# Altium PCB CATS-EUROC.PcbDoc (part 2 of 2) (continued)
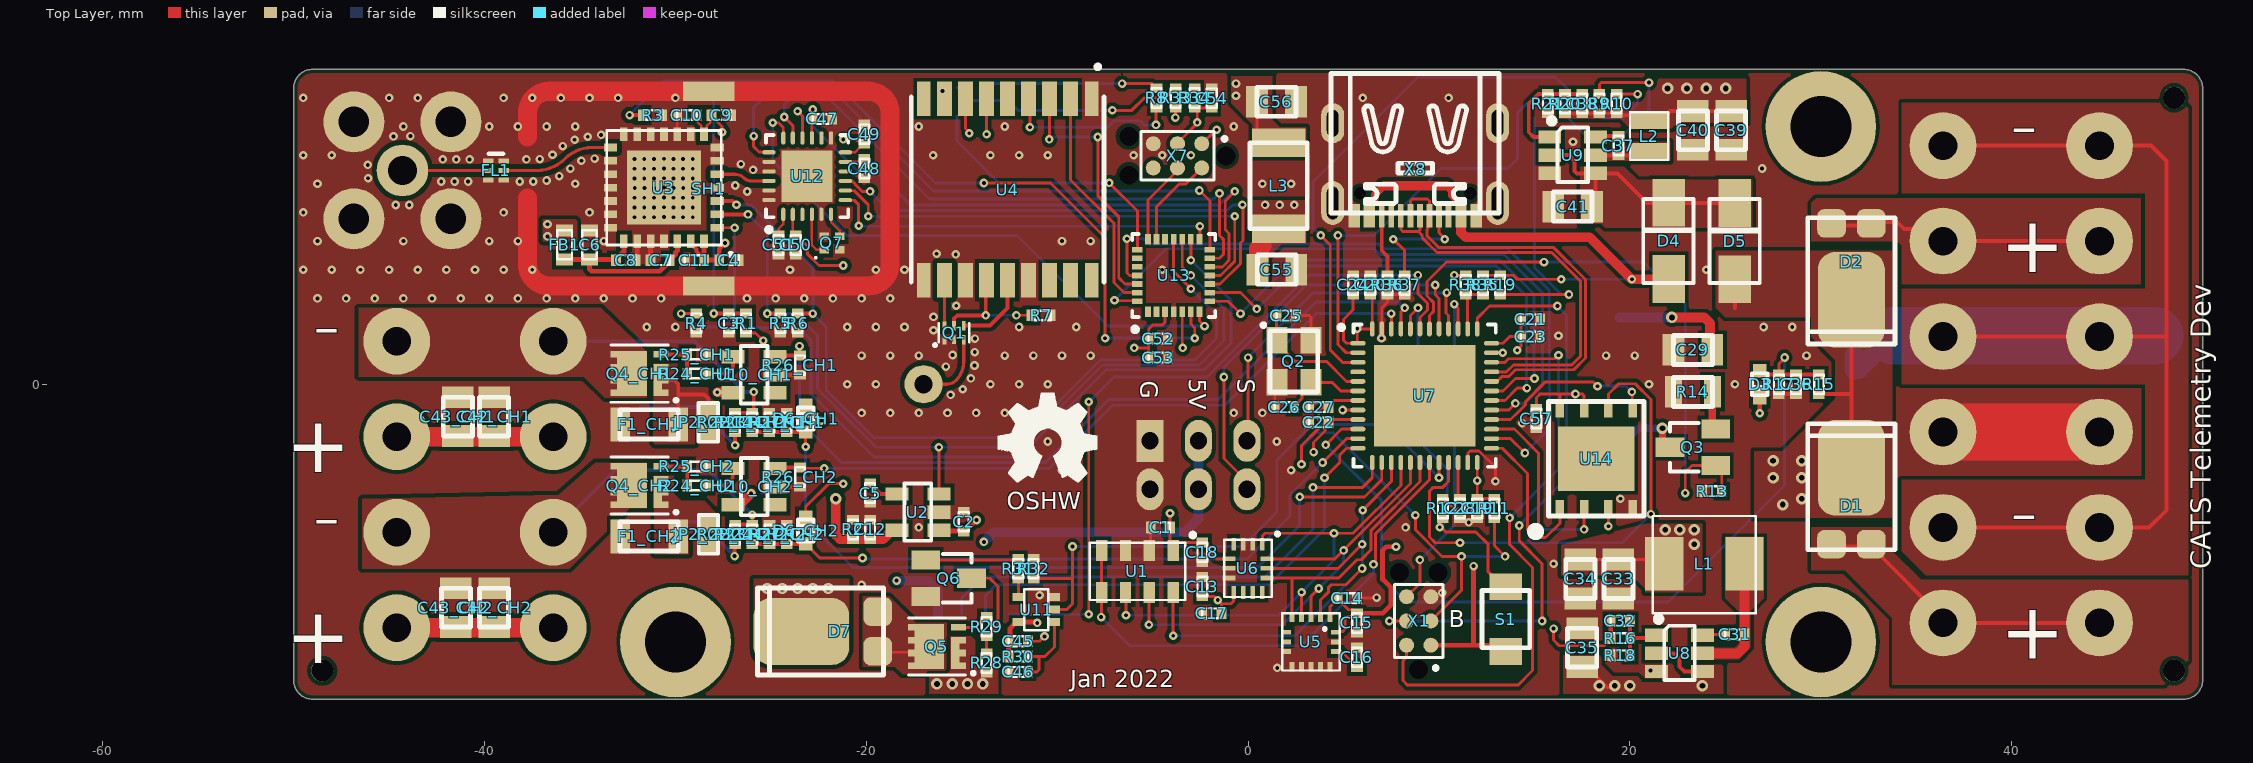
[diagram p0: Top Layer view]
## Nets (pads, with @x,y where several pads share a name; then routed paths per layer and width w, separated by ;. In a path a pad name is that pad's centre, name@x,y a point inside that pad or via, vN(x,y) a via of type N, cw(c..) or ccw(c..) an arc to the next point about the centre after c; other vN are vias at no path point) (continued)
  Bottom Layer w0.152: v1(11.1,-8.3) 11.631,-8.3 11.634,-8.302 11.988,-8.302 11.991,-8.3 19.6,-8.3 v1(21.1,-6.8)
SWCLK: U7.37 X1.4 | length 32.2
  Top Layer w0.152: v1(7.4,-12.4) X1.4@8.3,-12.4 ; U7.37@12,2.9 12,3.46 12.64,4.1 v1(16.2,4.1) ; v1(14.2,-7.4) 14.2,-8.2 15.4,-9.4 v1(15.4,-12.4)
  Bottom Layer w0.152: v1(7.4,-12.4) v1(15.4,-12.4) ; v1(14.2,-7.4) 16.684,-4.916 16.684,3.616 v1(16.2,4.1)
SWDIO: U7.34 X1.2 | length 30.9
  Top Layer w0.152: X1.2@8.3,-13.67 8.3,-14.3 8.113,-14.487 8.113,-15.524 8.351,-15.762 14.138,-15.762 14.9,-15 14.9,-9.6 13.7,-8.4 v1(13.7,-7) ; U7.34@12.75,1.15 13.45,1.15 13.637,1.337 16.069,1.337 v1(16.256,1.524)
  Bottom Layer w0.152: v1(13.7,-7) 16.256,-4.444 v1(16.256,1.524)
SWO: U7.39 X1.6 | length 17.7
  Top Layer w0.152: X1.6@8.3,-11.13 9,-10.43 v1(9,-9.2) ; v1(10.8,4.2) 11,4 U7.39@11,2.9
  Bottom Layer w0.152: v1(9,-9.2) 10.8,-7.4 v1(10.8,4.2)
TEMP: C3.2 R1.1 R3.1 U13.6 | length 55.1
  Top Layer w0.152: v1(-13.843,10.541) -10.346,10.541 -7.493,7.688 v1(-7.493,2.413) ; U13.6@-3,3.8 -3,3.156 -2.794,2.95 v1(-2.794,2.413)
  Top Layer w0.203: v1(-32.4,14.1) R3.1@-31.708,14.1 ; v1(-27.992,3.708) C3.2@-27.2,3.708 R1.1@-26.3,3.708
  Bottom Layer w0.152: v1(-32.4,14.1) -30.625,15.875 -27.94,15.875 ; v1(-27.992,3.708) -27.992,15.823 -27.94,15.875 ; v1(-13.843,10.541) -16.383,10.541 -21.717,15.875 -27.94,15.875 ; v1(-7.493,2.413) v1(-2.794,2.413)
TX1: U4.3 U13.26 | length 13.7
  Top Layer w0.152: v1(-10.414,12.827) -10.414,14.764 -10.5,14.85 U4.3@-10.4,14.95 ; v1(-7.874,12.954) -7.874,9.874 -6.778,8.778 -6.778,5.578 -6.45,5.25 U13.26@-5.8,5.25
  Bottom Layer w0.152: v1(-10.414,12.827) -10.287,12.954 v1(-7.874,12.954)
TX2: U7.31 U13.8 | length 26.1
  Top Layer w0.152: U13.8@-2,4.35 -1.05,4.35 v1(-0.4,3.7) ; U7.31@12.75,-0.35 13.35,-0.35 14,0.3 v1(15,0.3)
  Bottom Layer w0.152: v1(-0.4,3.7) -0.4,3.706 2.394,6.5 13.194,6.5 14.972,4.723 14.972,0.328 v1(15,0.3)
TX_EN: R5.2 U2.3 U3.2 U13.17 | length 47.6
  Top Layer w0.152: U2.3@-16.45,-5.75 U2.3@-16.2,-5.75 v1(-16.2,-3.3) ; U13.17@-3.45,7.6 -3.45,6.15 v1(-3,5.7)
  Top Layer w0.203: U3.2@-27.8,8.9 v1(-26.2,8.9) ; v1(-25.192,3.708) R5.2@-24.5,3.708
  Bottom Layer w0.152: v1(-26.2,8.9) -25.192,7.892 v1(-25.192,3.708) -23.708,3.708 -22.554,2.554 -22.554,-0.246 -21.828,-0.972 -21.823,-0.972 -21.572,-1.223 -21.572,-1.228 -19.5,-3.3 v1(-16.2,-3.3) -11.941,-3.3 -7.625,1.016 -2.54,1.016 -1.27,2.286 -1.27,3.97 v1(-3,5.7)
UART2_RX: U7.13 X4.3 | length 27
  Top Layer w0.152: v1(3.4,-5.4) 6,-5.4 6.5,-4.9 U7.13@6.5,-4.1
  Bottom Layer w0.152: X4.3@-15,-12.05 -15,-11.2 -13.9,-10.1 0.9,-10.1 3.4,-7.6 v1(3.4,-5.4)
UART2_TX: U7.12 X4.2 | length 25.5
  Top Layer w0.152: v1(4,-4.9) 4.8,-4.1 4.8,-3.7 5.15,-3.35 U7.12@5.75,-3.35
  Bottom Layer w0.152: X4.2@-13.75,-12.05 -13.75,-11.05 -13.2,-10.5 1.1,-10.5 4,-7.6 v1(4,-4.9)
USB_DET: R35.2 R38.1 U7.38 | length 2.7
  Top Layer w0.152: U7.38@11.5,2.9 11.5,4.592 R38.1@11.4,4.692 R35.2@12.3,4.692
USB_N: U7.32 X8.A7 X8.B7 | length 22.5
  Top Layer w0.152: X8.A7@8.5,8.825 8.5,9.6 8.6,9.7 9.4,9.7 9.5,9.6 X8.B7@9.5,8.825 9.426,8.751 9.426,8.153 9.377,8.104 9.377,7.777 10,7.154 16.005,7.154 17.674,5.485 17.674,1.374 17.062,0.762 14.003,0.762 13.637,0.396 13.286,0.396 13.04,0.15 U7.32@12.75,0.15
USB_P: U7.33 X8.A6 X8.B6 | length 21.1
  Top Layer w0.152: X8.B6@8,8.825 8,8.1 8.1,8 8.921,8 ; X8.A6@9,8.825 8.997,8.822 8.997,8.076 8.921,8 ; U7.33@12.75,0.65 13.532,0.65 13.898,1.016 16.957,1.016 17.42,1.48 17.42,5.38 15.9,6.9 9.895,6.9 9.123,7.672 9.123,7.798 8.921,8
V_BAT: C36.2 D3.A R15.1 R17.2 U7.10 | length 45.2
  Top Layer w0.152: v1(4.064,-3.175) 4.889,-2.35 U7.10@5.75,-2.35 ; R17.2@27.8,0.508 27.8,1.059 28.1,1.359 v1(28.1,1.4)
  Top Layer w0.203: D3.A@26.8,0.7 26.992,0.508 R17.2@27.8,0.508 C36.2@28.7,0.508 R15.1@29.9,0.508
  Bottom Layer w0.152: v1(4.064,-3.175) 6.996,-6.107 6.996,-10.099 8.297,-11.4 22,-11.4 28.1,-5.3 v1(28.1,1.4)
V_PYRO1: C44_CH1.2 D6_CH1.A R23_CH1.1 R27_CH1.2 U7.14 | length 42.3
  Top Layer w0.152: v1(-23.176,-3.276) D6_CH1.A@-23.176,-2.5 ; v1(2.7,-5.9) 6.1,-5.9 7,-5 U7.14@7,-4.1
  Top Layer w0.203: R23_CH1.1@-25.976,-2.508 C44_CH1.2@-25.076,-2.508 R27_CH1.2@-24.176,-2.508 -23.184,-2.508 D6_CH1.A@-23.176,-2.5
  Bottom Layer w0.152: v1(-23.176,-3.276) -23.176,-7.124 -20.7,-9.6 0.5,-9.6 2.7,-7.4 v1(2.7,-5.9)
V_PYRO2: C44_CH2.2 D6_CH2.A R23_CH2.1 R27_CH2.2 U7.11 | length 35.3
  Top Layer w0.152: D6_CH2.A@-23.175,-8.364 -22.439,-9.1 v1(-20.2,-9.1) ; v1(3.9,-4.1) 3.906,-4.1 5.156,-2.85 U7.11@5.75,-2.85
  Top Layer w0.203: R23_CH2.1@-25.975,-8.372 C44_CH2.2@-25.075,-8.372 R27_CH2.2@-24.175,-8.372 -23.183,-8.372 D6_CH2.A@-23.175,-8.364
  Bottom Layer w0.152: v1(-20.2,-9.1) -20.15,-9.15 -0.05,-9.15 2.2,-6.9 2.2,-5.794 3.894,-4.1 v1(3.9,-4.1)
VBAT: C30.P C35.2 D1.K D2.K D5.A Q5.S R15.2 R28.2 U8.2 U8.4 | length 18.4
  Top Layer w0.203: C35.2@17.5,-14.816 17.754,-14.816 18.838,-15.9 ; U8.2@21.4,-14.1 22.3,-14.1 22.6,-14.4 22.6,-14.8 22.85,-15.05 U8.4@23.8,-15.05 ; 25.5,4 D5.A@25.5,5.5 ; R15.2@29.9,-0.508 31.592,-0.508 31.6,-0.5 ; D2.K@30.6,3.325 D2.K@31.6,4.325 ; D1.K@31.6,-4.5 31.6,-0.5 ; D2.K@31.6,4.5 31.6,-0.5
  other v2: 18.4,-15.8 19.2,-15.8 20,-15.8 23.8,-15.8 -16.3,-15.7 -15.5,-15.7 -14.7,-15.7 -13.9,-15.7 28,-6.3 29,-6 27.5,-4.9 29,-4.9 27.5,-4 29,-4
VBUS: D4.A R19.2 R35.1 X8.A4B9 X8.B4A9 | length 27.7
  Top Layer w0.152: R35.1@12.3,5.708 R19.2@13.2,5.708 13.892,5.708 14.1,5.5 v1(16.4,5.5)
  Top Layer w0.381: X8.B4A9@6.35,8.825 6.459,8.935 6.459,9.512 6.625,9.678 6.625,9.925 7.1,10.4 ; 10.4,10.4 10.669,10.131 10.669,9.883 11.04,9.512 11.04,8.935 X8.A4B9@11.15,8.825
  Top Layer w0.508: 7.1,10.4 10.4,10.4 ; X8.A4B9@11.15,8.825 11.15,7.95 11.4,7.7 17.9,7.7 v1(20.1,5.5) D4.A@22,5.5
  Bottom Layer w0.152: v1(16.4,5.5) v1(20.1,5.5)
pads on no net: LS1.NC U4.5 U4.9 U4.16 U4.17 U4.18 U5.6 U5.7 U6.4 U6.9 U6.10 U6.11 U7.4 U7.PAD U10_CH1.1 U10_CH2.1 U12.3 U12.10 U12.14 U13.1 U13.2 U13.19 U13.23 U13.24 U14.PAD X1.NC X4.NC X7.6 X7.NC X8.A8 X8.B8 X8.NC

## Polygon pours and split planes (outlines as drawn)
GND on Top Layer "Top Layer-No Net1" (solid, remove dead copper, pour order 84): -49,-16.5 cw(c-49,-15.5) -50,-15.5 -50,15.5 cw(c-49,15.5) -49,16.5 49,16.5 cw(c49,15.5) 50,15.5 50,-15.5 cw(c49,-15.5) 49,-16.5
GND on Top Layer "Top Layer-GND 1" (solid, pour order 12): -15.315,7.041 -15.142,6.969 -14.994,6.856 -14.881,6.708 -14.809,6.535 -14.785,6.35 -14.785,4.55 -14.809,4.365 -14.881,4.192 -14.994,4.044 -15.094,3.968 -15.094,3.37 -15.085,3.3 -15.085,2.85 -15.109,2.665 -15.181,2.492 -15.294,2.344 -15.442,2.231 -15.615,2.159 -15.8,2.135 -16,2.135 -16.185,2.159 -16.358,2.231 -16.506,2.344 -16.619,2.492 -16.691,2.665 -16.715,2.85 -16.715,3.3 -16.706,3.37 -16.706,3.968 -16.806,4.044 -16.919,4.192 -16.991,4.365 -17.015,4.55 -17.015,6.35 -16.991,6.535 -16.919,6.708 -16.806,6.856 -16.658,6.969 -16.485,7.041 -16.3,7.065 -15.5,7.065
GND on Top Layer "Top Layer-GND" (solid, pour order 14): -14.615,3.266 -14.442,3.194 -14.294,3.081 -14.181,2.933 -14.109,2.76 -14.085,2.575 -14.085,2.075 -14.094,2.005 -14.094,1.208 -14.088,1.166 -14.095,1.119 -14.095,1.072 -14.144,0.694 -14.166,0.614 -14.193,0.514 -14.339,0.161 -14.396,0.062 -14.432,-0.001 -14.664,-0.303 -14.698,-0.337 -14.726,-0.374 -14.763,-0.402 -14.797,-0.436 -14.835,-0.458 -14.961,-0.554 -15.123,-0.648 -15.309,-0.725 -15.461,-0.765 -15.466,-0.778 -15.505,-0.846 -15.559,-0.94 -15.719,-1.149 -15.851,-1.281 -16.06,-1.441 -16.222,-1.534 -16.465,-1.635 -16.514,-1.648 -16.646,-1.683 -16.907,-1.718 -17,-1.718 -17.093,-1.718 -17.354,-1.683 -17.497,-1.645 -17.535,-1.635 -17.778,-1.534 -17.846,-1.495 -17.94,-1.441 -18.149,-1.281 -18.281,-1.149 -18.441,-0.94 -18.534,-0.778 -18.635,-0.535 -18.648,-0.486 -18.683,-0.354 -18.718,-0.093 -18.718,0 -18.718,0.093 -18.683,0.354 -18.645,0.497 -18.635,0.535 -18.534,0.778 -18.495,0.846 -18.441,0.94 -18.281,1.149 -18.149,1.281 -17.94,1.441 -17.778,1.534 -17.535,1.635 -17.486,1.648 -17.354,1.683 -17.093,1.718 -17,1.718 -16.907,1.718 -16.646,1.683 -16.503,1.645 -16.465,1.635 -16.222,1.534 -16.154,1.495 -16.06,1.441 -15.851,1.281 -15.719,1.149 -15.711,1.137 -15.706,1.173 -15.706,2.005 -15.715,2.075 -15.715,2.575 -15.691,2.76 -15.619,2.933 -15.506,3.081 -15.358,3.194 -15.185,3.266 -15,3.29 -14.8,3.29
GND on Top Layer "Top Layer-GND 3" (solid, pour order 6): -44.207,13.271 -43.854,13.224 -43.674,13.176 -43.345,13.04 -43.27,12.997 -43.184,12.947 -42.902,12.73 -42.77,12.598 -42.553,12.316 -42.523,12.263 -42.46,12.155 -42.398,12.006 -40.284,12.006 -40.26,12.016 -40.075,12.04 -39.525,12.04 -39.34,12.016 -39.167,11.944 -39.019,11.831 -38.906,11.683 -38.834,11.51 -38.81,11.325 -38.81,11.075 -38.834,10.89 -38.906,10.717 -39.019,10.569 -39.167,10.456 -39.34,10.384 -39.525,10.36 -40.075,10.36 -40.26,10.384 -40.284,10.394 -42.398,10.394 -42.46,10.245 -42.503,10.17 -42.553,10.084 -42.77,9.802 -42.902,9.67 -43.184,9.453 -43.237,9.423 -43.345,9.36 -43.674,9.224 -43.854,9.176 -44.207,9.129 -44.3,9.129 -44.393,9.129 -44.746,9.176 -44.926,9.224 -45.255,9.36 -45.33,9.403 -45.416,9.453 -45.698,9.67 -45.83,9.802 -46.047,10.084 -46.077,10.137 -46.14,10.245 -46.276,10.574 -46.324,10.754 -46.371,11.107 -46.371,11.2 -46.371,11.293 -46.324,11.646 -46.276,11.826 -46.14,12.155 -46.097,12.23 -46.047,12.316 -45.83,12.598 -45.698,12.73 -45.416,12.947 -45.363,12.977 -45.255,13.04 -45.254,13.04 -44.926,13.176 -44.746,13.224 -44.393,13.271 -44.3,13.271 -44.207,13.271
GND on Top Layer "Top Layer-GND 4" (solid, pour order 4): -32.865,13.291 -32.692,13.219 -32.544,13.106 -32.431,12.958 -32.359,12.785 -32.335,12.6 -32.335,12.2 -32.359,12.015 -32.431,11.842 -32.544,11.694 -32.692,11.581 -32.865,11.509 -33.05,11.485 -33.75,11.485 -33.935,11.509 -34.108,11.581 -34.125,11.594 -34.369,11.594 -34.603,11.571 -34.828,11.503 -35.036,11.392 -35.206,11.252 -35.215,11.24 -35.243,11.218 -35.267,11.193 -35.598,10.921 -35.658,10.884 -35.715,10.843 -36.093,10.641 -36.158,10.616 -36.222,10.588 -36.632,10.463 -36.701,10.452 -36.769,10.436 -37.196,10.394 -37.231,10.395 -37.266,10.39 -37.293,10.394 -38.516,10.394 -38.54,10.384 -38.725,10.36 -39.275,10.36 -39.46,10.384 -39.633,10.456 -39.781,10.569 -39.894,10.717 -39.966,10.89 -39.99,11.075 -39.99,11.325 -39.966,11.51 -39.894,11.683 -39.781,11.831 -39.633,11.944 -39.46,12.016 -39.275,12.04 -38.725,12.04 -38.54,12.016 -38.516,12.006 -37.266,12.006 -37.264,12.006 -37.015,12.03 -36.774,12.103 -36.552,12.222 -36.37,12.372 -36.36,12.384 -36.332,12.406 -36.308,12.431 -35.99,12.693 -35.93,12.73 -35.873,12.771 -35.51,12.965 -35.444,12.989 -35.38,13.018 -34.986,13.138 -34.917,13.149 -34.849,13.165 -34.439,13.206 -34.404,13.205 -34.369,13.209 -34.344,13.206 -34.125,13.206 -34.108,13.219 -33.935,13.291 -33.75,13.315 -33.05,13.315
3V3 on Top Layer "Top Layer-3V3 2" (solid, remove dead copper, pour order 72): -35.155,7.493 -35.155,8.636 -36.957,8.636 -36.957,7.493
3V3 on Top Layer "Top Layer-3V3 1" (solid, remove dead copper, pour order 83): 0.254,9.652 0.254,6.858 0,6.604 0,5.207 1.016,5.207 1.016,6.604 1.778,7.366 3.048,7.366 3.048,9.652
3V3A on Top Layer "Top Layer-3V3A" (solid, remove dead copper, pour order 78): -0.889,16.129 -0.889,14.732 0.254,13.589 0.254,12.446 0.762,11.938 2.921,11.938 3.048,12.065 3.048,13.462 1.651,13.462 1.27,13.843 1.27,16.129
NetF1_CH1_1 on Top Layer "Top Layer-NetF1_CH1_1" (solid, remove dead copper, pour order 0): -31.14,1.067 -29.896,1.067 -29.896,0.051 -29.693,-0.152 -28.27,-0.152 -27.762,-0.66 -27.762,-1.905 -28.981,-1.905 -28.981,-3.15 -31.166,-3.15
PH2 on Top Layer "Top Layer-PH2" (solid, remove dead copper, pour order 64): -21.6,-14.7 -20.9,-14 -20.9,-10.2 -25.9,-10.2 -25.9,-13.9 -25.1,-14.7
NetD7_A on Top Layer "Top Layer-NetD7_A" (solid, remove dead copper, pour order 62): -20.2,-11.1 -20.2,-14.8 -18.5,-14.8 -18.1,-15.2 -15.8,-15.2 -15.8,-12.5 -17.4,-12.5 -18.8,-11.1
VBAT on Top Layer "Top Layer-VBAT 1" (solid, remove dead copper, pour order 60): 16.5,-14.2 16.5,-16.2 24.9,-16.2 24.9,-14.8 24.8,-14.7 23.3,-14.7 23.2,-14.8 23.2,-15.6 20.7,-15.6 20.4,-15.3 19.1,-15.3 18.5,-14.7 18.5,-14.2
VBAT on Top Layer "Top Layer-VBAT 5" (solid, remove dead copper, pour order 58): -15.6,-13.2 -15.6,-15 -15.8,-15.2 -16.7,-15.2 -16.7,-16.2 -13.1,-16.2 -13.1,-14.8 -14,-14.8 -14.3,-14.5 -14.3,-13.4 -14.5,-13.2
PL1 on Top Layer "Top Layer-PL1" (solid, remove dead copper, pour order 50): -46.6,4 -46.6,0.4 -34.8,0.4 -33.7,-0.7 -31.5,-0.7 -31.5,1.7 -33.9,4 -34.1,4
NetF1_CH2_1 on Top Layer "Top Layer-NetF1_CH2_1" (solid, remove dead copper, pour order 48): -31.1,-4.8 -31.1,-8.9 -29.3,-8.9 -29.3,-7.8 -27.8,-7.8 -27.8,-6.8 -28.5,-6.1 -29.7,-6.1 -30.1,-5.7 -30.1,-4.8
PL2 on Top Layer "Top Layer-PL2" (solid, remove dead copper, pour order 44): -46.4,-6 -46.4,-9.652 -35.552,-9.652 -34.4,-8.5 -32.4,-6.5 -31.5,-6.5 -31.5,-4.1 -34.2,-4.1 -36.116,-5.784
3V3 on Top Layer "Top Layer-3V3" (solid, remove dead copper, pour order 40): 16.3,13.9 19.5,13.9 20,13.4 22.2,13.4 22.5,13.7 26.1,13.7 26.1,16 20.4,16 20.1,15.7 20.1,14.6 16.3,14.6
VBAT on Top Layer "Top Layer-VBAT" (solid, remove dead copper, pour order 38): 17.2,14.4
NetC37_2 on Top Layer "Top Layer-NetC37_2" (solid, remove dead copper, pour order 36): 17.6,12.3 17.6,11.7 22.1,11.7 22.1,12.7 20,12.7 19.6,12.3
NetC41_2 on Top Layer "Top Layer-NetC41_2" (solid, remove dead copper, pour order 34): 26.4,8.2 18.7,8.2 18.5,8.4 17.4,8.4 17.4,11.4 19.7,11.4 20.4,10.7 26.4,10.7
5V on Top Layer "Top Layer-5V" (solid, remove dead copper, pour order 32): 16.4,-8.4 16.4,-10 20.1,-10 20.8,-10.7 20.8,-10.9 23.8,-10.9 23.8,-7.3 20.8,-7.3
NetC31_2 on Top Layer "Top Layer-NetC31_2" (solid, remove dead copper, pour order 30): 23.2,-13.8 25.5,-13.8 25.8,-13.5 25.8,-12 25,-11.2 25,-8 27,-8 27,-11.2 26.3,-11.9 26.3,-13.8 25.7,-14.4 23.2,-14.4
VBAT on Top Layer "Top Layer-VBAT 2" (solid, remove dead copper, pour order 26): 29.75,-5
VBAT on Top Layer "Top Layer-VBAT 3" (solid, remove dead copper, pour order 24): 31,-3.5 26.5,-3.5 26.5,-7 31,-7
VBAT on Top Layer "Top Layer-VBAT 4" (solid, remove dead copper, pour order 22): 24.5,7 24.5,4 25,3.5 29.5,3.5 29.5,2.5 30.75,1.25 30.75,-0.75 27.25,-4.25 27.25,-7 33.75,-7 33.75,7
NetD2_A on Top Layer "Top Layer-NetD2_A" (solid, remove dead copper, pour order 20): 46.75,5.25 46.75,9.75 29.75,9.75 29.5,9.5 29.5,7.5 34,7.5 34.25,7.25 34.25,5.25
BGND on Top Layer "Top Layer-BGND" (solid, remove dead copper, pour order 18): 34.25,-5 34.25,-8.75 35.5,-10 49.25,-10 49.25,14.75 34.25,14.75 34.25,10 47,10 47,5 34.25,5 34.25,0 47,0 47,-5
NetD1_A on Top Layer "Top Layer-NetD1_A" (solid, remove dead copper, pour order 16): 29.5,-7.5 29.5,-9.75 31.25,-9.75 33.75,-12.25 33.75,-15.75 49.25,-15.75 49.25,-10.25 35.25,-10.25 33.75,-8.75 33.75,-7.5
GND on Top Layer "Top Layer-GND 2" (solid, pour order 8): -27.265,11.891 -27.092,11.819 -27.075,11.806 -26.883,11.806 -26.836,11.8 -26.789,11.8 -26.787,11.799 -26.589,11.773 -26.409,11.725 -26.223,11.648 -26.163,11.613 -26.061,11.554 -25.933,11.456 -25.535,11.456 -25.525,11.46 -25.479,11.466 -25.433,11.478 -25.386,11.478 -25.34,11.484 -24.86,11.484 -24.814,11.478 -24.767,11.478 -24.721,11.466 -24.675,11.46 -24.632,11.442 -24.586,11.43 -24.502,11.395 -24.449,11.364 -24.34,11.302 -24.208,11.17 -24.146,11.061 -24.115,11.008 -24.08,10.924 -24.037,10.764 -24.032,10.743 -24.032,10.65 -24.032,10.557 -24.037,10.536 -24.08,10.376 -24.115,10.292 -24.146,10.239 -24.208,10.13 -24.34,9.998 -24.449,9.936 -24.502,9.905 -24.586,9.87 -24.632,9.858 -24.675,9.84 -24.721,9.834 -24.767,9.822 -24.814,9.822 -24.86,9.816 -25.34,9.816 -25.386,9.822 -25.433,9.822 -25.479,9.834 -25.525,9.84 -25.535,9.844 -25.975,9.844 -25.991,9.841 -26.015,9.842 -26.038,9.839 -26.107,9.848 -26.177,9.853 -26.41,9.899 -26.454,9.914 -26.5,9.924 -26.542,9.944 -26.587,9.959 -26.626,9.985 -26.668,10.006 -26.865,10.138 -26.918,10.184 -26.931,10.194 -27.075,10.194 -27.092,10.181 -27.265,10.109 -27.45,10.085 -28.15,10.085 -28.335,10.109 -28.508,10.181 -28.656,10.294 -28.769,10.442 -28.841,10.615 -28.865,10.8 -28.865,11.2 -28.841,11.385 -28.769,11.558 -28.656,11.706 -28.508,11.819 -28.335,11.891 -28.15,11.915 -27.45,11.915
3V3 on Mid Layer 2 "Top Layer-No Net" (solid, remove dead copper, pour order 87): -49,-16.5 cw(c-49,-15.5) -50,-15.5 -50,15.5 cw(c-49,15.5) -49,16.5 49,16.5 cw(c49,15.5) 50,15.5 50,-15.5 cw(c49,-15.5) 49,-16.5
5V on Mid Layer 2 "Mid Layer 2-5V" (solid, remove dead copper, pour order 52): -3.4,-1.8 -3.4,-8.2 1.5,-13.1 19.2,-13.1 24.7,-7.6 24.7,3.9 21.7,3.9 21.7,-6.9 18.9,-9.7 7.1,-9.7 1.1,-9.7 -1.7,-6.9 -1.7,-1.8
VBAT on Mid Layer 2 "Mid Layer 2-VBAT" (solid, remove dead copper, pour order 54): 24.9,-0.4 33.7,-0.4 33.7,-8.1 31.5,-10.3 28.5,-10.3 26.7,-12.1 26.7,-16.2 -17,-16.2 -17,-13.2 19.3,-13.2 24.9,-7.6
3V3A on Mid Layer 2 "Mid Layer 2-3V3A" (solid, remove dead copper, pour order 76): 1.143,16.256 1.143,13.97 -0.127,13.97 -1.016,14.859 -28.575,14.859 -28.575,16.256
PH2 on Mid Layer 2 "Mid Layer 2-PH2" (solid, remove dead copper, pour order 46): -25.8,-11.9 -20.9,-11.9 -20.9,-9.5 -24.2,-6.2 -32.7,-6.2 -32.7,-2.7 -35.4,0 -48.3,0 -48.3,-14.9 -34.5,-14.9 -34.5,-10.6 -34,-10.1 -27.6,-10.1
GND on Bottom Layer "Top Layer-No Net3" (solid, remove dead copper, pour order 86): -49,-16.5 cw(c-49,-15.5) -50,-15.5 -50,15.5 cw(c-49,15.5) -49,16.5 49,16.5 cw(c49,15.5) 50,15.5 50,-15.5 cw(c49,-15.5) 49,-16.5
BGND on Bottom Layer "Bottom Layer-BGND" (solid, remove dead copper, pour order 81): 31.369,0.127 31.369,1.905 33.782,4.318 49.911,4.318 49.911,0.762 33.02,0.762 32.385,0.127
VBAT on Bottom Layer "Bottom Layer-VBAT" (solid, remove dead copper, pour order 66): 26.1,-0.6 26.1,-3.4 27.9,-3.4 27.9,-5.1 27.7,-5.3 25.4,-5.3 24.7,-4.6 24.7,-0.6
GND on Mid Layer 1 "Top Layer-No Net2" (solid, remove dead copper, pour order 85): -49,-16.5 cw(c-49,-15.5) -50,-15.5 -50,15.5 cw(c-49,15.5) -49,16.5 49,16.5 cw(c49,15.5) 50,15.5 50,-15.5 cw(c49,-15.5) 49,-16.5

## Other copper
Top Layer:
  pour cut-out: -14.703,2.809 -14.621,2.754 -14.566,2.672 -14.546,2.575 -14.546,2.075 -14.555,2.028 -14.555,1.194 -14.55,1.166 -14.553,1.149 -14.552,1.133 -14.602,0.754 -14.613,0.723 -14.619,0.69 -14.765,0.338 -14.784,0.31 -14.798,0.28 -15.031,-0.023 -15.043,-0.034 -15.052,-0.048 -15.08,-0.066 -15.105,-0.088 -15.116,-0.092 -15.242,-0.188 -15.271,-0.203 -15.299,-0.221 -15.486,-0.299 -15.518,-0.305 -15.55,-0.316 -15.75,-0.342 -15.765,-0.341 -15.783,-0.345 -15.789,-0.345 -15.791,-0.358 -15.892,-0.601 -15.91,-0.629 -15.925,-0.659 -16.085,-0.868 -16.11,-0.89 -16.132,-0.915 -16.341,-1.075 -16.371,-1.09 -16.399,-1.108 -16.642,-1.209 -16.674,-1.215 -16.706,-1.226 -16.967,-1.26 -17,-1.258 -17.033,-1.26 -17.294,-1.226 -17.326,-1.215 -17.358,-1.209 -17.601,-1.108 -17.629,-1.09 -17.659,-1.075 -17.868,-0.915 -17.89,-0.89 -17.915,-0.868 -18.075,-0.659 -18.09,-0.629 -18.108,-0.601 -18.209,-0.358 -18.215,-0.326 -18.226,-0.294 -18.26,-0.033 -18.258,0 -18.26,0.033 -18.226,0.294 -18.215,0.326 -18.209,0.358 -18.108,0.601 -18.09,0.629 -18.075,0.659 -17.915,0.868 -17.89,0.89 -17.868,0.915 -17.659,1.075 -17.629,1.09 -17.601,1.108 -17.358,1.209 -17.326,1.215 -17.294,1.226 -17.033,1.26 -17,1.258 -16.967,1.26 -16.706,1.226 -16.674,1.215 -16.642,1.209 -16.399,1.108 -16.371,1.09 -16.341,1.075 -16.132,0.915 -16.11,0.89 -16.085,0.868 -15.925,0.659 -15.91,0.629 -15.892,0.601 -15.791,0.358 -15.789,0.345 -15.783,0.345 -15.781,0.344 -15.653,0.37 -15.545,0.442 -15.544,0.444 -15.536,0.449 -15.379,0.654 -15.276,0.901 -15.243,1.157 -15.245,1.166 -15.245,2.028 -15.254,2.075 -15.254,2.575 -15.234,2.672 -15.179,2.754 -15.097,2.809 -15,2.829 -14.8,2.829
  pour cut-out: -15.403,6.584 -15.321,6.529 -15.266,6.447 -15.246,6.35 -15.246,4.55 -15.266,4.453 -15.321,4.371 -15.403,4.316 -15.5,4.296 -15.555,4.296 -15.555,3.347 -15.546,3.3 -15.546,2.85 -15.566,2.753 -15.621,2.671 -15.703,2.616 -15.8,2.596 -16,2.596 -16.097,2.616 -16.179,2.671 -16.234,2.753 -16.254,2.85 -16.254,3.3 -16.245,3.347 -16.245,4.296 -16.3,4.296 -16.397,4.316 -16.479,4.371 -16.534,4.453 -16.554,4.55 -16.554,6.35 -16.534,6.447 -16.479,6.529 -16.397,6.584 -16.3,6.604 -15.5,6.604
  pour cut-out: -27.353,11.434 -27.271,11.379 -27.247,11.345 -26.883,11.345 -26.865,11.341 -26.85,11.342 -26.65,11.316 -26.618,11.305 -26.586,11.299 -26.399,11.221 -26.371,11.203 -26.342,11.188 -26.182,11.065 -26.178,11.061 -26.101,11.01 -26.025,10.995 -25.459,10.995 -25.437,11.004 -25.379,11.015 -25.34,11.023 -24.86,11.023 -24.821,11.015 -24.763,11.004 -24.679,10.969 -24.596,10.914 -24.552,10.848 -24.541,10.831 -24.506,10.747 -24.494,10.685 -24.487,10.65 -24.494,10.615 -24.506,10.553 -24.541,10.469 -24.596,10.386 -24.662,10.342 -24.679,10.331 -24.763,10.296 -24.821,10.285 -24.86,10.277 -25.34,10.277 -25.379,10.285 -25.437,10.296 -25.459,10.305 -26.014,10.305 -26.038,10.301 -26.062,10.306 -26.087,10.306 -26.32,10.352 -26.411,10.39 -26.609,10.521 -26.626,10.539 -26.647,10.553 -26.655,10.565 -26.753,10.63 -26.881,10.656 -26.883,10.655 -27.247,10.655 -27.271,10.621 -27.353,10.566 -27.45,10.546 -28.15,10.546 -28.247,10.566 -28.329,10.621 -28.384,10.703 -28.404,10.8 -28.404,11.2 -28.384,11.297 -28.329,11.379 -28.247,11.434 -28.15,11.454 -27.45,11.454
  pour cut-out: -43.914,12.767 -43.883,12.756 -43.85,12.75 -43.522,12.614 -43.494,12.595 -43.465,12.581 -43.183,12.364 -43.161,12.339 -43.136,12.317 -42.919,12.035 -42.905,12.006 -42.886,11.978 -42.75,11.65 -42.744,11.617 -42.733,11.586 -42.728,11.545 -40.194,11.545 -40.172,11.559 -40.075,11.579 -39.525,11.579 -39.428,11.559 -39.346,11.504 -39.291,11.422 -39.271,11.325 -39.271,11.075 -39.291,10.978 -39.346,10.896 -39.428,10.841 -39.525,10.821 -40.075,10.821 -40.172,10.841 -40.194,10.855 -42.728,10.855 -42.733,10.814 -42.744,10.783 -42.75,10.75 -42.886,10.422 -42.905,10.394 -42.919,10.365 -43.136,10.083 -43.161,10.061 -43.183,10.036 -43.465,9.819 -43.494,9.805 -43.522,9.786 -43.85,9.65 -43.883,9.644 -43.914,9.633 -44.267,9.587 -44.3,9.589 -44.333,9.587 -44.686,9.633 -44.717,9.644 -44.75,9.65 -45.078,9.786 -45.106,9.805 -45.135,9.819 -45.417,10.036 -45.439,10.061 -45.464,10.083 -45.681,10.365 -45.695,10.394 -45.714,10.422 -45.85,10.75 -45.856,10.783 -45.867,10.814 -45.913,11.167 -45.911,11.2 -45.913,11.233 -45.867,11.586 -45.856,11.617 -45.85,11.65 -45.714,11.978 -45.695,12.006 -45.681,12.035 -45.464,12.317 -45.439,12.339 -45.417,12.364 -45.135,12.581 -45.106,12.595 -45.078,12.614 -44.75,12.75 -44.717,12.756 -44.686,12.767 -44.333,12.813 -44.3,12.811 -44.267,12.813
  pour cut-out: -32.953,12.834 -32.871,12.779 -32.816,12.697 -32.796,12.6 -32.796,12.2 -32.816,12.103 -32.871,12.021 -32.953,11.966 -33.05,11.946 -33.75,11.946 -33.847,11.966 -33.929,12.021 -33.953,12.055 -34.369,12.055 -34.376,12.057 -34.693,12.026 -35.006,11.931 -35.294,11.777 -35.531,11.583 -35.542,11.566 -35.552,11.559 -35.56,11.549 -35.891,11.278 -35.913,11.266 -35.933,11.25 -36.31,11.048 -36.334,11.041 -36.356,11.029 -36.766,10.905 -36.791,10.902 -36.815,10.895 -37.241,10.853 -37.253,10.854 -37.266,10.852 -37.284,10.855 -38.605,10.855 -38.628,10.841 -38.725,10.821 -39.275,10.821 -39.372,10.841 -39.454,10.896 -39.509,10.978 -39.529,11.075 -39.529,11.325 -39.509,11.422 -39.454,11.504 -39.372,11.559 -39.275,11.579 -38.725,11.579 -38.628,11.559 -38.605,11.545 -37.266,11.545 -37.257,11.543 -36.925,11.575 -36.597,11.675 -36.295,11.837 -36.045,12.041 -36.034,12.058 -36.023,12.065 -36.015,12.075 -35.697,12.336 -35.675,12.348 -35.656,12.364 -35.292,12.558 -35.268,12.565 -35.246,12.577 -34.852,12.696 -34.827,12.699 -34.803,12.706 -34.394,12.747 -34.381,12.745 -34.369,12.748 -34.352,12.745 -33.953,12.745 -33.929,12.779 -33.847,12.834 -33.75,12.854 -33.05,12.854

## Silkscreen, mask and mechanical layers (free items; w line width, h text height)
Top Overlay:
  region: 2511 vertices and 0 holes, not listed, extent -13.103,-5.134 -7.897,-0.456
  text "-" at 39.925,15.259 h5.08 r180
  text "+" at 39.4,9.389 h5.08 r180
  text "-" at -47.525,4.759 h5.08 r180
  text "5V" at -3.399,0.298 h1.52 r270
  text "S" at -0.859,0.298 h1.52 r270
  text "G" at -5.939,0.171 h1.52 r270
  text "+" at -47,-1.111 h5.08 r180
  text "-" at 39.925,-4.991 h5.08 r180
  text "-" at -47.525,-5.241 h5.08 r180
  text "OSHW" at -12.651,-6.863 h1.52
  text "CATS Telemetry Dev" at 50.805,-9.7 h1.8 r90
  text "+" at 39.4,-10.861 h5.08 r180
  text "+" at -47,-11.111 h5.08 r180
  text "B" at 10.497,-13.051 h1.52
  text "Jan 2022" at -9.326,-16.185 h1.52
Bottom Overlay:
  drawing of 17 lines, arcs and shapes, not listed
  text "HOT Surface" at -22.776,13.546 h3
  text "LINK" at -14.228,13.3 h1.52 r90
  text "GNSS" at -12.478,13.3 h1.52 r90
  text "STATUS" at 19.422,13.3 h1.52 r90
  text "USB" at 16.022,13.2 h1.52 r90
  text "FAULT" at 17.722,13.2 h1.52 r90
  text "-" at 33.12,6.896 h5.08
  text "GROUND" at -4.378,4.8 h1.52 r90
  text "SIGNAL" at 0.822,4 h1.52 r90
  text "POWER" at -1.678,3.9 h1.52 r90
  text "+" at 33.104,3.38 h5.08
  text "SW" at 32.821,1.575 h1.52
  text "CH2" at -28,-1.85 h2.03
  text "SW" at 32.821,-2.997 h1.52
  text "CH1" at 4.4,-4 h1.52
  text "CH2" at 4.5,-6.422 h1.52
  text "-" at 33.12,-6.604 h5.08
  text "CH1" at -28,-7.85 h2.03
  text "+" at 33.104,-9.87 h5.08
  text "LUCA JOST" at 23.35,-13.55 h1.14
  text "JONAS BINZ" at 23.35,-14.7 h1.14
  text "NEMANJA STOJOSKI" at 23.35,-15.95 h1.14
  text "GND" at -26.525,-16 h1.78 r270
  text "5V" at -25.425,-16 h1.78 r270
  text "RX" at -24.325,-16 h1.78 r270
  text "TX" at -23.225,-16 h1.78 r270
  text "IO1" at -22.125,-16 h1.78 r270
Bottom Solder:
  rectangle: -32.512,8.382 -28.702,12.192
Mechanical 1:
  lines w0.2: -50,-15.5 ccw(c-49,-15.5) -49,-16.5 0,-16.5 49,-16.5 ccw(c49,-15.5) 50,-15.5 50,15.5 ccw(c49,15.5) 49,16.5 0,16.5 -49,16.5 ccw(c-49,15.5) -50,15.5 -50,-15.5